# Altium PCB Exter.PcbDoc (part 2 of 2)
Units mil, origin at the board's own origin, x right, y up, seen from the top; angles counter-clockwise.
Board outline 6825 x 4690 mil, 2 copper layers (Top Layer, Bottom Layer); 156 components, 130 nets, 506 pads, 250 vias.
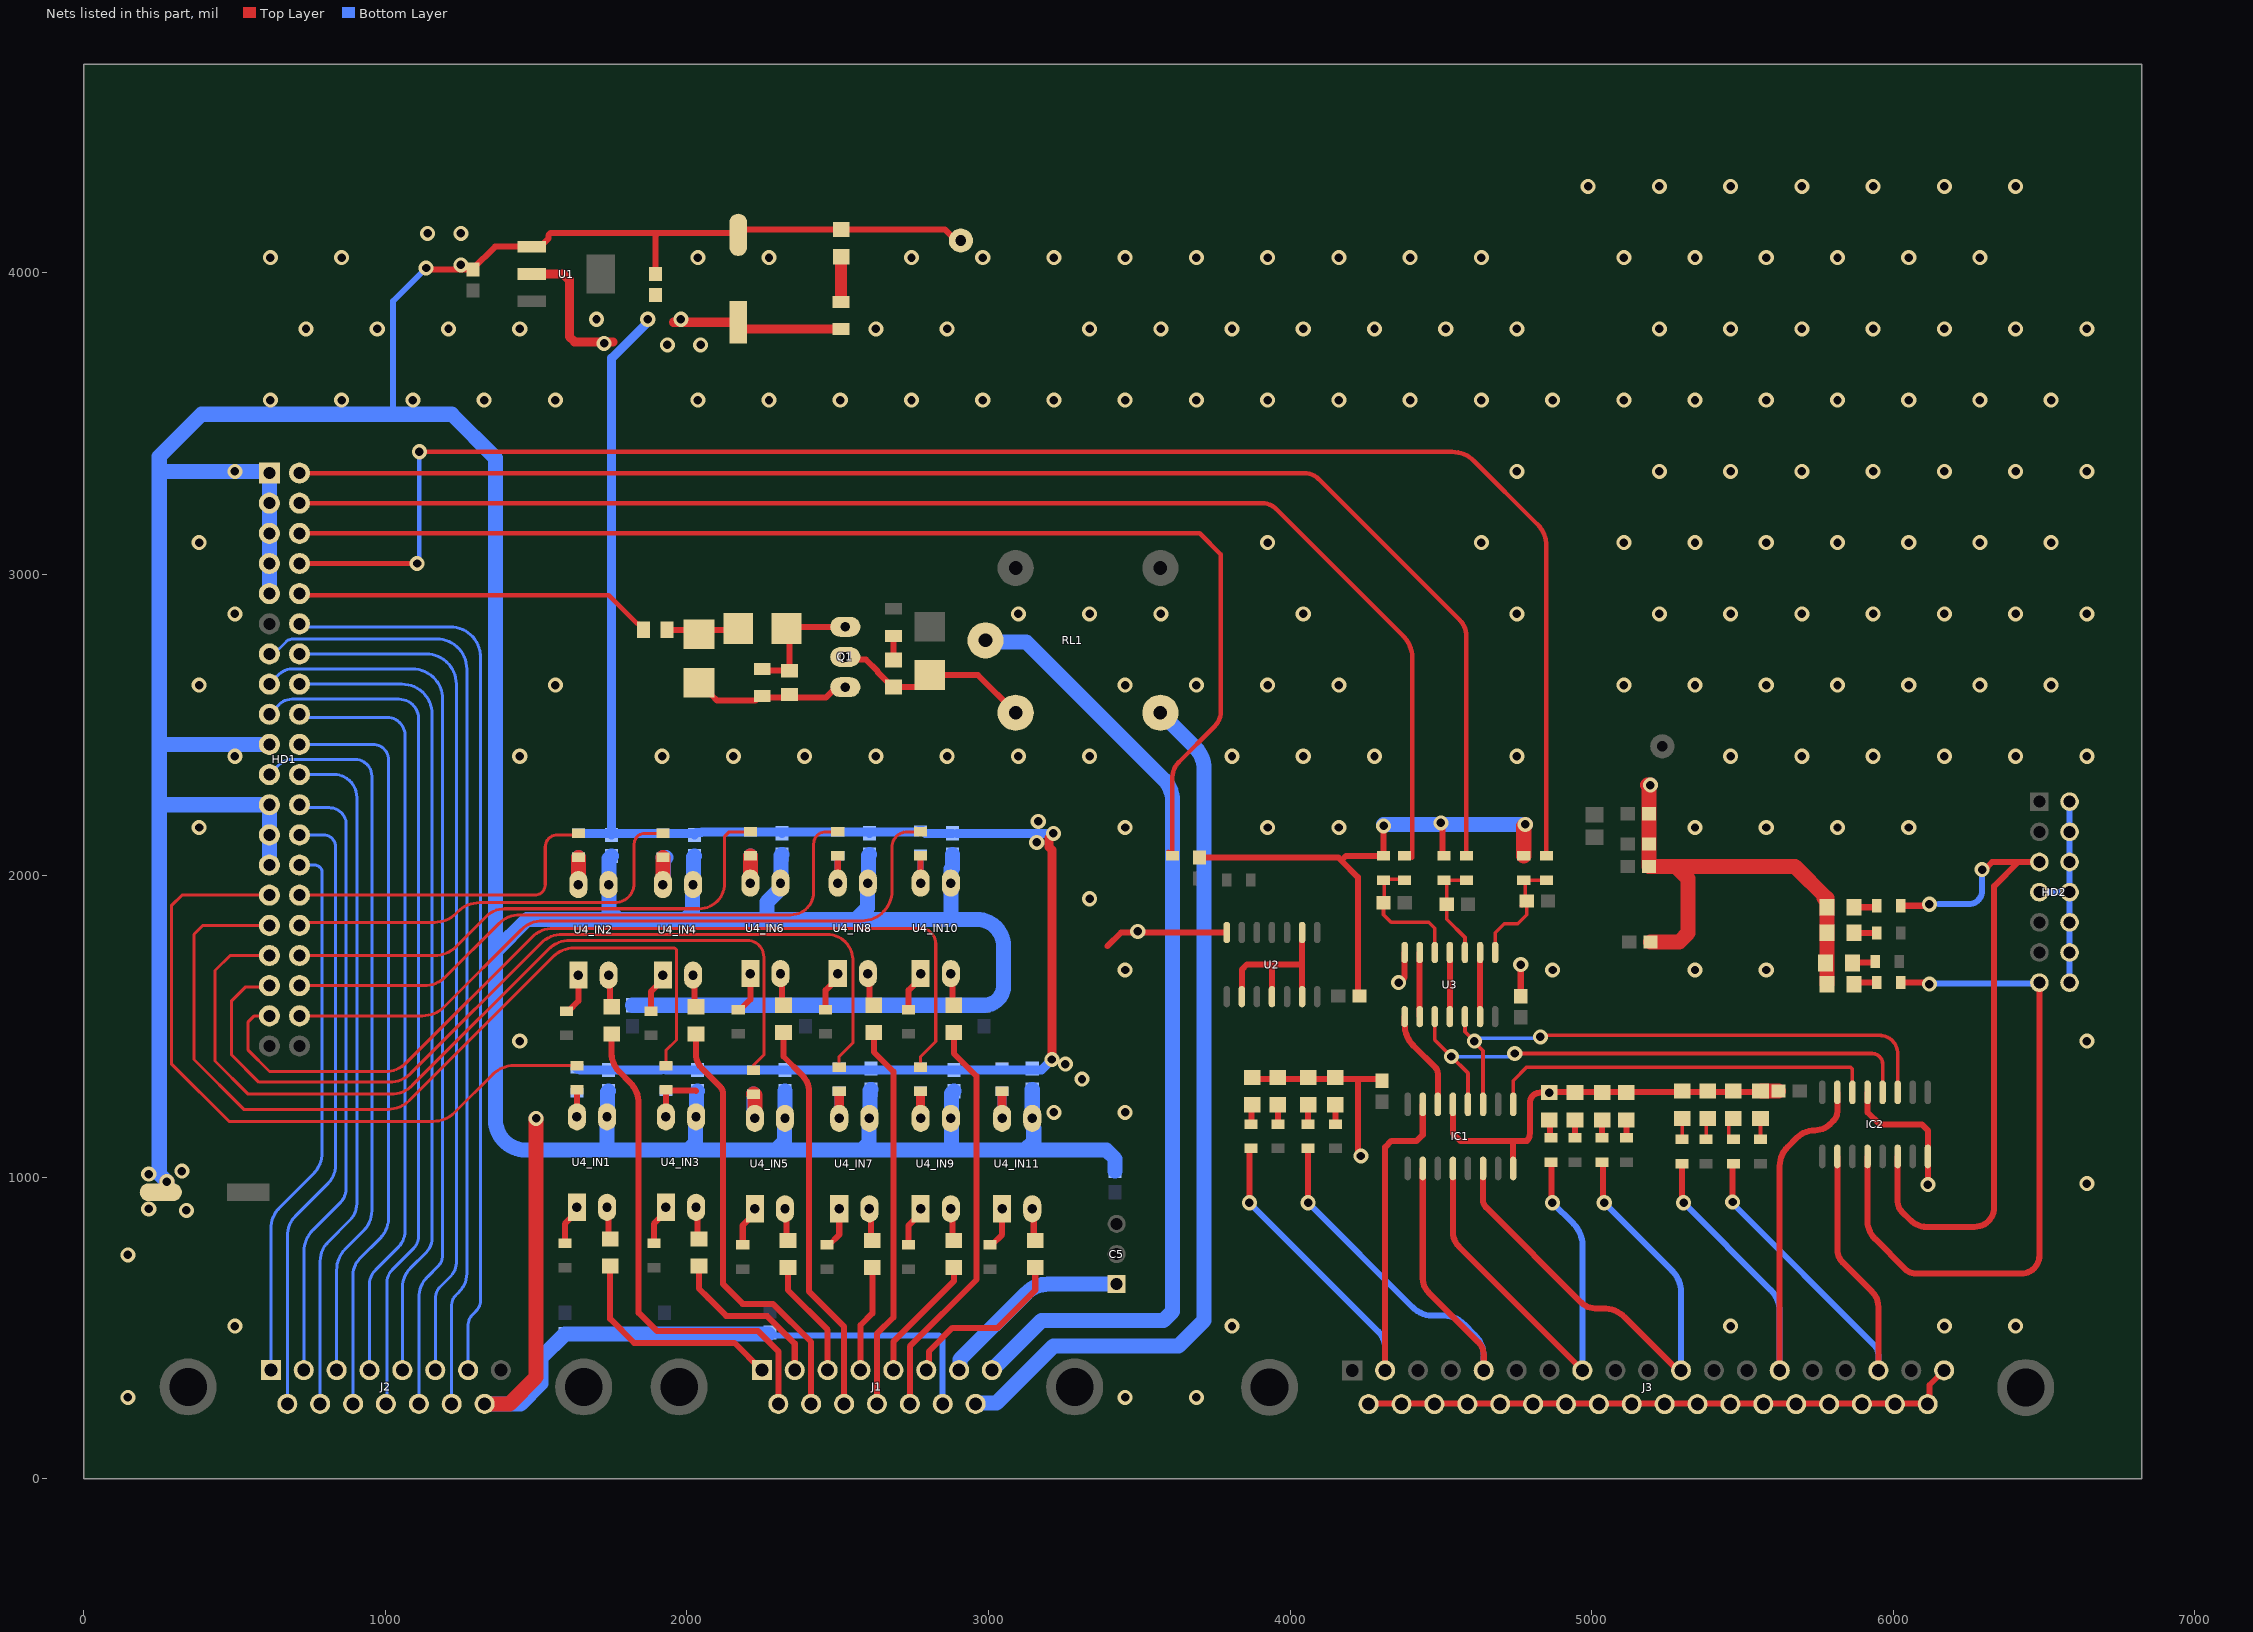
[diagram p2: the nets of this part, all layers, seen from the top]

## Via types
v1: diameter 50, hole 28, Top Layer to Bottom Layer, tented both sides, 246 vias
v2: diameter 236.22, hole 157.48, Top Layer to Bottom Layer, tented both sides, 4 vias

## Nets (pads, with @x,y where several pads share a name; then routed paths per layer and width w, separated by ;. In a path a pad name is that pad's centre, name@x,y a point inside that pad or via, vN(x,y) a via of type N, cw(c..) or ccw(c..) an arc to the next point about the centre after c; other vN are vias at no path point) (continued)
GND: C1.2 C2.2 C3.1 C4.1 C7.1 C11.2 C12.2 C13.1 C14.1 C15.1 C16.1 C17_IN1.2 C17_IN2.2 C17_IN3.2 C17_IN4.2 C17_IN5.2 C17_IN6.2 C17_IN7.2 C17_IN8.2 C17_IN9.2 C17_IN10.2 C17_IN11.2 C18.1 C19.1 C20.1 C21.1 C22.1 C23.1 C24.1 C25.1 C26.1 C27.1 D1.2 D2.2@4150,1330 D3.1 D4.2 D5.2 D6.2 D7.2 D8.2 HD1.1 HD1.3 HD1.5 HD1.7 HD1.9 HD1.19 HD1.23 HD1.25 HD1.27 HD2.2 HD2.4 HD2.6 HD2.7 HD2.8 HD2.10 HD2.12 HD2.14 IC1.8 IC1.13 IC2.8 IC2.13 J1.14 J2.15 J3.19 J3.20 J3.21 J3.22 J3.23 J3.24 J3.25 J3.26 J3.27 J3.28 J3.29 J3.30 J3.31 J3.32 J3.33 J3.34 J3.35 J3.36 J3.37 LED1.2 Q1.1 R1.2 R5.2 R6.2 R7.2 S1.2 S2.2 S3.2 S4.2 S5.2 S6.2 S7.2 S8.2 S9.2 TP1.1 U1.1 U2.7 U3.7 U4_IN1.3 U4_IN2.3 U4_IN3.3 U4_IN4.3 U4_IN5.3 U4_IN6.3 U4_IN7.3 U4_IN8.3 U4_IN9.3 U4_IN10.3 U4_IN11.3 | length 30702.3
  Top Layer w19.68: 3394.13,1765.71 3439.72,1811.3 U2.7@3790,1811.3
  Top Layer w20: v1(1135,4015) 1140,4010 C3.1@1290,4010 1290,4011.97 1363.58,4085.55 U1.1@1485.83,4085.55 1513.39,4085.55 1540,4112.17 1540,4123.28 1547.86,4131.15 1905,4131.15 ; C4.1@1895,3995 1895,4121.15 1905,4131.15 ; D3.1@2040,2640 2041.97,2640 2081.18,2600.79 2081.18,2598.82 2100,2580 2227.18,2580 2242.19,2595 R1.2@2250,2595 ; R1.2@2250,2590 2339.99,2590 2460.55,2590 2495.55,2625 Q1.1@2525,2625 ; TP1.1@2909.03,4089.03 2855.88,4142.19 LED1.2@2510.97,4142.19 2187.19,4142.19 C2.2@2170,4125 2163.85,4131.15 1905,4131.15 ; C13.1@3700,2060 4160,2060 4170,2050 ; S1.2@3875,1330 3880,1325 4225,1325 ; C11.2@4225,1600 4225,1995 4170,2050 ; v1(4235,1070) 4225,1080 4225,1325 ; J3.20@4260.67,247.37 4263.3,250 6111.97,250 J3.37@6114.61,247.37 6120.59,253.35 6120.59,310.64 J3.19@6169.13,359.18 ; C15.1@4305,1320 4300,1325 4225,1325 ; v1(4310,2165) R7.2@4310,2065 4185,2065 4170,2050 ; v1(4360,1645) ccw(c4360,1657.07) 4368.54,1648.54 4375,1655 ccw(c4362.93,1667.07) 4380,1667.07 U3.7@4380,1745 ; v1(4500,2175) 4505,2170 4505,2070 R6.2@4510,2065 ; IC1.13@4540,1241.3 4540,1145 4565,1120 4740,1120 ; IC1.8@4740,1028.7 4740,1120 ; C12.2@4765,1600 v1(4765,1705) ; D6.2@5562.5,1285 D6.2@5560,1285 5557.5,1282.5 4862.5,1282.5 v1(4860,1280) 4829.14,1280 ccw(c4829.14,1245.86) 4805,1270 ccw(c4829.14,1245.86) 4795,1245.86 4795,1144.14 cw(c4760.86,1144.14) 4785,1120 4740,1120 ; IC2.13@5915,1281.3 5915,1215 5955,1175 6095,1175 6115,1155 IC2.8@6115,1068.7 v1(6115,975)
  Top Layer w50: C1.2@255,950 275,970 v1(275,985) ; J2.15@1328.86,248.11 1411.26,248.11 1500,336.85 v1(1500,1195) ; R5.2@4775,2065 4775,2165 v1(4780,2170) ; C19.1@5195,1780 5290.71,1780 5320,1809.29 5320,1990 5280,2030 ; v1(5195,2300) 5185,2300 cw(c5172.93,2287.93) 5190,2287.93 C18.1@5190,2205 C14.1@5190,2105 C20.1@5190,2030 5280,2030 ; D6.2@5562.5,1285 C16.1@5620,1285 ; 5770,1925 S8.2@5780,1915 ; S7.2@5780,1640 D8.2@5780,1810 S8.2@5780,1895 S8.2@5780,1915 ; 5280,2030 5675,2030 5780,1925 S8.2@5780,1915
  Bottom Layer w20: 1025,3530 1025,3905 v1(1135,4015) ; C21.1@2270,480 2275,475 2835,475 2848.11,461.89 J1.14@2848.11,248.11 ; HD2.7@6485,1945 HD2.8@6585,1945 ; HD2.14@6585,1645 HD2.12@6585,1745 HD2.10@6585,1845 HD2.8@6585,1945 ; HD2.2@6585,2245 HD2.4@6585,2145 HD2.6@6585,2045 HD2.8@6585,1945
  Bottom Layer w50: v1(275,985) 250,1010 250,2235 ; HD1.27@615,2035 HD1.25@615,2135 HD1.23@615,2235 250,2235 ; HD1.19@615,2435 250,2435 ; HD1.9@615,2935 HD1.5@615,3135 HD1.1@615,3335 610,3340 250,3340 ; J2.15@1328.86,248.11 1448.11,248.11 1515,315 1515,400 C22.1@1595,480 C23.1@1925,480 C21.1@2270,480 ; C17_IN1.2@1740,1285 1736.91,1281.91 1736.91,1201.91 U4_IN1.3@1735,1200 1735,1100 1725,1090 ; C17_IN2.2@1750,2065 1741.91,2056.91 1741.91,1971.91 U4_IN2.3@1740,1970 1741.91,1968.09 1741.91,1884.29 1771.2,1855 ; C27.1@1820,1570 C26.1@2392.5,1570 C25.1@2985,1570 ccw(c2985,1635) 3050,1635 3050,1765 ccw(c2960,1765) 2960,1855 2875,1855 ; C17_IN4.2@2025,2065 2021.91,2061.91 2021.91,1971.91 U4_IN4.3@2020,1970 2018.09,1968.09 2018.09,1878.09 1995,1855 ; C17_IN3.2@2035,1285 2031.91,1281.91 2031.91,1201.91 U4_IN3.3@2030,1200 2028.09,1198.09 2028.09,1113.09 2005,1090 ; C17_IN6.2@2315,2070 2311.91,2066.91 2311.91,1976.91 U4_IN6.3@2310,1975 2310,1957.29 2265,1912.29 2265,1855 ; C17_IN5.2@2325,1285 U4_IN5.3@2325,1195 2323.09,1193.09 2323.09,1118.09 2295,1090 ; C17_IN8.2@2605,2070 2601.91,2066.91 2601.91,1976.91 U4_IN8.3@2600,1975 2598.09,1973.09 2598.09,1893.09 2560,1855 ; C17_IN7.2@2610,1290 2606.91,1286.91 2606.91,1196.91 U4_IN7.3@2605,1195 2603.09,1193.09 2603.09,1113.09 2580,1090 ; C17_IN10.2@2880,2070 2880,2023.08 ccw(c2880,2018.08) 2875,2018.08 U4_IN10.3@2875,1975 2875,1855 ; C17_IN9.2@2885,1285 2876.91,1276.91 2876.91,1196.91 U4_IN9.3@2875,1195 2876.91,1193.09 2876.91,1093.09 2880,1090 ; C17_IN11.2@3145,1290 U4_IN11.3@3145,1195 3146.91,1193.09 3146.91,1163.8 3150,1160.71 3150,1119.29 3120.71,1090 ; C24.1@3420,1020 3420,1060.71 3390.71,1090 3120.71,1090 ; v1@4310,2170 v1(4780,2170) ; 250,2235 250,2435 ; 250,2435 250,3340 ; 250,3340 250,3390 390,3530 1025,3530 1220,3530 1365,3385 1365,1750 ; 1365,1750 1365,1190 ccw(c1465,1190) 1465,1090 1725,1090 ; 1365,1750 1470,1855 1771.2,1855 ; 1725,1090 2005,1090 ; 1771.2,1855 1995,1855 ; 1995,1855 2265,1855 ; 2005,1090 2295,1090 ; 2265,1855 2560,1855 ; 2295,1090 2580,1090 ; 2560,1855 2875,1855 ; 2580,1090 2880,1090 ; 2880,1090 3120.71,1090
  other v1: 146.1,269.65 3453.19,269.65 3689.41,269.65 500.43,505.87 3807.52,505.87 5461.06,505.87 6169.73,505.87 6405.95,505.87 146.1,742.09 340,890 215,895 6642.17,978.31 215,1010 325,1020 3216.97,1214.53 3453.19,1214.53 1445.32,1450.75 6642.17,1450.75 3453.19,1686.97 4870.51,1686.97 5342.95,1686.97 5579.17,1686.97 3495,1815 3335.08,1923.19 382.32,2159.41 3453.19,2159.41 3925.63,2159.41 4161.85,2159.41 5342.95,2159.41 5579.17,2159.41 5815.39,2159.41 6051.61,2159.41 500.43,2395.63 1445.32,2395.63 1917.76,2395.63 2153.98,2395.63 2390.2,2395.63 2626.42,2395.63 2862.64,2395.63 3098.86,2395.63 3335.08,2395.63 3807.52,2395.63 4043.74,2395.63 4279.96,2395.63 4752.4,2395.63 5461.06,2395.63 5697.28,2395.63 5933.5,2395.63 6169.73,2395.63 6405.95,2395.63 6642.17,2395.63 382.32,2631.85 1563.43,2631.85 3453.19,2631.85 3689.41,2631.85 3925.63,2631.85 4161.85,2631.85 5106.73,2631.85 5342.95,2631.85 5579.17,2631.85 5815.39,2631.85 6051.61,2631.85 6287.84,2631.85 6524.06,2631.85 500.43,2868.07 3098.86,2868.07 3335.08,2868.07 3571.3,2868.07 4043.74,2868.07 4752.4,2868.07 5224.84,2868.07 5461.06,2868.07 5697.28,2868.07 5933.5,2868.07 6169.73,2868.07 6405.95,2868.07 6642.17,2868.07 382.32,3104.29 3925.63,3104.29 4634.29,3104.29 5106.73,3104.29 5342.95,3104.29 5579.17,3104.29 5815.39,3104.29 6051.61,3104.29 6287.84,3104.29 6524.06,3104.29 500.43,3340.51 4752.4,3340.51 5224.84,3340.51 5461.06,3340.51 5697.28,3340.51 5933.5,3340.51 6169.73,3340.51 6405.95,3340.51 6642.17,3340.51 618.54,3576.73 854.76,3576.73 1090.98,3576.73 1327.2,3576.73 1563.43,3576.73 2035.87,3576.73 2272.09,3576.73 2508.31,3576.73 2744.53,3576.73 2980.75,3576.73 3216.97,3576.73 3453.19,3576.73 3689.41,3576.73 3925.63,3576.73 4161.85,3576.73 4398.07,3576.73 4634.29,3576.73 4870.51,3576.73 5106.73,3576.73 5342.95,3576.73 5579.17,3576.73 5815.39,3576.73 6051.61,3576.73 6287.84,3576.73 6524.06,3576.73 736.65,3812.95 972.87,3812.95 1209.09,3812.95 1445.32,3812.95 2626.42,3812.95 2862.64,3812.95 3335.08,3812.95 3571.3,3812.95 3807.52,3812.95 4043.74,3812.95 4279.96,3812.95 4516.18,3812.95 4752.4,3812.95 5224.84,3812.95 5461.06,3812.95 5697.28,3812.95 5933.5,3812.95 6169.73,3812.95 6405.95,3812.95 6642.17,3812.95 1250,4025 618.54,4049.17 854.76,4049.17 2035.87,4049.17 2272.09,4049.17 2744.53,4049.17 2980.75,4049.17 3216.97,4049.17 3453.19,4049.17 3689.41,4049.17 3925.63,4049.17 4161.85,4049.17 4398.07,4049.17 4634.29,4049.17 5106.73,4049.17 5342.95,4049.17 5579.17,4049.17 5815.39,4049.17 6051.61,4049.17 6287.84,4049.17 1140,4130 1250,4130 4988.62,4285.39 5224.84,4285.39 5461.06,4285.39 5697.28,4285.39 5933.5,4285.39 6169.73,4285.39 6405.95,4285.39
IN1: HD1.29 R27_IN1.1 | length 2355.7
  Top Layer w10: HD1.29@615,1935 325,1935 290,1900 290,1375.86 480.86,1185 1158.58,1185 ccw(c1158.58,1285) 1229.29,1214.29 1355.71,1340.71 cw(c1426.42,1270) 1426.42,1370 R27_IN1.1@1635,1370
IN2: HD1.30 R27_IN2.1 | length 1104.9
  Top Layer w10: HD1.30@715,1935 1495,1935 ccw(c1495,1970) 1530,1970 1530,2095 cw(c1570,2095) 1531.77,2106.77 cw(c1570,2095) 1558.23,2133.23 cw(c1570,2095) 1570,2135 1645,2135 R27_IN2.1@1640,2140
IN3: HD1.31 R27_IN3.1 | length 2959.8
  Top Layer w10: HD1.31@615,1835 395,1835 365,1805 365,1390 530,1225 1008.58,1225 ccw(c1008.58,1325) 1079.29,1254.29 1555.71,1730.71 cw(c1626.42,1660) 1615.84,1759.44 cw(c1626.42,1660) 1626.42,1760 1959.14,1760 1965,1754.14 1965,1455 1930,1420 R27_IN3.1@1930,1370
IN4: HD1.32 R27_IN4.1 | length 1414.5
  Top Layer w10: HD1.32@715,1835 725,1845 1163.58,1845 ccw(c1163.58,1945) 1234.29,1874.29 1240.71,1880.71 cw(c1311.42,1810) 1311.42,1910 1760,1910 ccw(c1760,1975) 1825,1975 1825,2105 cw(c1860,2105) 1860,2140 R27_IN4.1@1920,2140
IN5: HD1.33 R27_IN5.1 | length 2981.9
  Top Layer w10: HD1.33@615,1735 485,1735 435,1685 435,1385 545,1275 1018.58,1275 ccw(c1018.58,1375) 1089.29,1304.29 1540.71,1755.71 cw(c1611.42,1685) 1611.42,1785 2200,1785 cw(c2200,1730) 2255,1730 2255,1405 2220,1370 R27_IN5.1@2225,1365
IN6: HD1.34 R27_IN6.1 | length 1761
  Top Layer w10: HD1.34@715,1735 1163.58,1735 ccw(c1163.58,1835) 1234.29,1764.29 1335,1865 cw(c1395.36,1804.64) 1395.36,1890 2040,1890 ccw(c2040,1975) 2125,1975 2125,2130 2140,2145 R27_IN6.1@2210,2145
IN7: HD1.35 R27_IN7.1 | length 3039.6
  Top Layer w10: HD1.35@615,1635 610,1630 535,1630 490,1585 490,1405 580,1315 1013.58,1315 ccw(c1013.58,1415) 1084.29,1344.29 1515.71,1775.71 cw(c1586.42,1705) 1586.42,1805 2465,1805 cw(c2465,1720) 2474.7,1804.45 cw(c2465,1720) 2549.45,1729.7 cw(c2465,1720) 2550,1720 2550,1445 2504.89,1399.89 2504.89,1365.11 R27_IN7.1@2505,1365
IN8: HD1.36 R27_IN8.1 | length 2099.4
  Top Layer w10: HD1.36@715,1635 1128.58,1635 ccw(c1128.58,1735) 1199.29,1664.29 1375.71,1840.71 cw(c1446.42,1770) 1446.42,1870 2345,1870 ccw(c2345,1945) 2420,1945 2420,2105 cw(c2460,2105) 2421.77,2116.77 cw(c2460,2105) 2448.23,2143.23 cw(c2460,2105) 2460,2145 R27_IN8.1@2500,2145
IN9: HD1.37 R27_IN9.1 | length 3129.2
  Top Layer w10: HD1.37@615,1535 565,1535 545,1515 545,1420.86 615.86,1350 998.58,1350 ccw(c998.58,1450) 1069.29,1379.29 1485.71,1795.71 cw(c1556.42,1725) 1556.42,1825 2775,1825 cw(c2775,1775) 2825,1775 2825,1450 2775,1400 R27_IN9.1@2775,1365
IN10: HD1.38 R27_IN10.1 | length 2412.5
  Top Layer w10: HD1.38@715,1535 1123.58,1535 ccw(c1123.58,1635) 1194.29,1564.29 1450.71,1820.71 cw(c1521.42,1750) 1521.42,1850 2580,1850 ccw(c2580,1950) 2680,1950 2680,2095 cw(c2730,2095) 2681.29,2106.29 cw(c2730,2095) 2718.71,2143.71 cw(c2730,2095) 2730,2145 R27_IN10.1@2775,2145
LATCH1: C9.1 R3.1 R6.1 U3.3 | length 343.9
  Top Layer w12: R6.1@4510,1985 R6.1@4510.25,1985 ; U3.3@4580,1745 4580,1795 4520,1855 C9.1@4520,1905 4520,1975.25 R6.1@4510.25,1985 ; R3.1@4585,1985 R6.1@4510.25,1985
MOSI1: C10.1 R4.1 R7.1 U3.5 | length 455.7
  Top Layer w12: R4.1@4380,1985 4377.5,1987.5 4312.5,1987.5 4312.5,1912.5 C10.1@4310,1910 4310,1870 4335,1845 4460,1845 4480,1825 U3.5@4480,1745
NetC5_1: C5.1 J1.7 | length 655.3
  Bottom Layer w50: J1.7@2902.64,359.92 2905.8,363.09 2905.8,395.8 3125.71,615.71 cw(c3196.42,545) 3196.42,645 C5.1@3425,645
NetC6_2: C6.2 D2.1@2170,2820 D3.2 | length 237.7
  Top Layer w20: C6.2@1934.37,2815.01 2165.01,2815.01 D2.1@2170,2820
NetC7_2: C7.2 D2.2@2330,2820 Q1.3 R1.1 | length 422.4
  Top Layer w20: R1.1@2260.31,2680 2260,2680 2260.31,2679.69 2339.68,2679.69 C7.2@2339.99,2679.37 2339.99,2810.01 D2.2@2330,2820 2335,2825 Q1.3@2525,2825
NetD1_1: D1.1 R9.2 | length 65.1
  Top Layer w20: D1.1@3959.83,1240 3959.91,1239.91 3959.91,1175.09 R9.2@3960,1175
NetD2_1: D2.1@4150,1240 R11.2 | length 65
  Top Layer w20: R11.2@4150,1175 D2.1@4150,1240
NetD4_1: D4.1 R15.2 | length 60
  Top Layer w20: R15.2@5115,1130 D4.1@5115,1190
NetD5_1: D5.1 R17.2 | length 72.1
  Top Layer w12: R17.2@5380,1125 5380,1190 D5.1@5385,1195
NetD6_1: D6.1 R19.2 | length 70
  Top Layer w12: R19.2@5560,1125 D6.1@5560,1195
NetD7_1: D7.1 R21.2 | length 77.1
  Top Layer w20: D7.1@5865,1710 5867.5,1712.5 5937.5,1712.5 R21.2@5940,1715
NetD8_1: D8.1 R23.2 | length 75
  Top Layer w20: D8.1@5870,1810 R23.2@5945,1810
NetD10_1: D10.1 LED18.2 Q1.2 RL1.4 | length 676.2
  Top Layer w20: Q1.2@2525,2725 2533.8,2716.2 2593.8,2716.2 2631.25,2678.75 2631.25,2676.25 2682.5,2625 LED18.2@2685,2625 2763.03,2625 2803.03,2665 D10.1@2805,2665 2965,2665 RL1.4@3090,2540
NetIC1_9: IC1.9 IC2.14 | length 1301.9
  Top Layer w12: IC1.9@4740,1241.3 4740,1320 4785,1365 5857.97,1365 5865,1357.97 IC2.14@5865,1281.3
NetIC1_11: IC1.11 IC2.11 U3.12 | length 1890.4
  Top Layer w12: U3.12@4580,1532.4 4580,1482.5 v1(4611.25,1451.25) 4611.25,1447.94 4640,1419.19 IC1.11@4640,1241.3 ; v1(4830,1465) 4835,1470 5955,1470 cw(c5955,1410) 5966.02,1468.98 cw(c5955,1410) 6013.98,1421.02 cw(c5955,1410) 6015,1410 IC2.11@6015,1281.3
  Bottom Layer w12: v1(4611.25,1451.25) 4620,1460 4825,1460 v1(4830,1465)
NetIC1_12: IC1.12 IC2.12 U3.10 | length 1885.3
  Top Layer w12: U3.10@4480,1532.4 4480,1455 v1(4535,1400) 4590,1345 IC1.12@4590,1241.3 ; v1(4745,1410) 5930,1410 cw(c5930,1375) 5965,1375 IC2.12@5965,1281.3
  Bottom Layer w12: v1(4535,1400) 4536,1399 4723.72,1399 4734.72,1410 v1(4745,1410)
NetIC1_14: IC1.14 U3.8 | length 331.3
  Top Layer w20: U3.8@4380,1532.4 4380,1506.42 ccw(c4480,1506.42) 4409.29,1435.71 4482.5,1362.5 cw(c4464.39,1344.39) 4490,1344.39 IC1.14@4490,1241.3
NetLED1_1: LED1.1 R30.2 | length 149.6
  Top Layer w20: R30.2@2510.84,3902.63 R30.2@2510.9,3902.7 ; LED1.1@2510.9,4052.12 LED1.1@2510.97,4052.19
  Top Layer w40: R30.2@2510.9,3902.7 LED1.1@2510.9,4052.12
NetLED17_IN1_1: LED17_IN1.1 U4_IN1.2 | length 109.1
  Top Layer w20: U4_IN1.2@1735,900 1740,895 1740,800 LED17_IN1.1@1745,795
NetLED17_IN2_1: LED17_IN2.1 U4_IN2.2 | length 109.1
  Top Layer w20: U4_IN2.2@1740,1670 1745,1665 1745,1570 LED17_IN2.1@1750,1565
NetLED17_IN3_1: LED17_IN3.1 U4_IN3.2 | length 109.1
  Top Layer w20: U4_IN3.2@2030,900 2035,895 2035,800 LED17_IN3.1@2040,795
NetLED17_IN4_1: LED17_IN4.1 U4_IN4.2 | length 126.2
  Top Layer w20: LED17_IN4.1@2020,1555 LED17_IN4.1@2025,1560 ; U4_IN4.2@2020,1670 2025,1665 LED17_IN4.1@2025,1560 ; LED17_IN4.1@2030,1565 LED17_IN4.1@2025,1560
NetLED17_IN5_1: LED17_IN5.1 U4_IN5.2 | length 109.1
  Top Layer w20: U4_IN5.2@2325,895 2330,890 2330,795 LED17_IN5.1@2335,790
NetLED17_IN6_1: LED17_IN6.1 U4_IN6.2 | length 109.1
  Top Layer w20: U4_IN6.2@2310,1675 2315,1670 2315,1575 LED17_IN6.1@2320,1570
NetLED17_IN7_1: LED17_IN7.1 U4_IN7.2 | length 109.1
  Top Layer w20: U4_IN7.2@2605,895 2610,890 2610,795 LED17_IN7.1@2615,790
NetLED17_IN8_1: LED17_IN8.1 U4_IN8.2 | length 109.1
  Top Layer w20: U4_IN8.2@2600,1675 2605,1670 2605,1575 LED17_IN8.1@2610,1570
NetLED17_IN9_1: LED17_IN9.1 U4_IN9.2 | length 109.1
  Top Layer w20: U4_IN9.2@2875,895 2880,890 2880,795 LED17_IN9.1@2885,790
NetLED17_IN10_1: LED17_IN10.1 U4_IN10.2 | length 109.1
  Top Layer w20: U4_IN10.2@2875,1675 2880,1670 2880,1575 LED17_IN10.1@2885,1570
NetLED17_IN11_1: LED17_IN11.1 U4_IN11.2 | length 109.1
  Top Layer w20: U4_IN11.2@3145,895 3150,890 3150,795 LED17_IN11.1@3155,790
NetLED18_1: LED18.1 R29.2 | length 80
  Top Layer w20: LED18.1@2685,2715 R29.2@2685,2795
NetR8_2: R8.2 S1.1 | length 67.1
  Top Layer w20: R8.2@3870,1175 3872.5,1177.5 3872.5,1237.5 S1.1@3875,1240
NetR10_2: R10.2 S2.1 | length 65
  Top Layer w20: R10.2@4060,1175 S2.1@4060,1240
NetR12_2: R12.2 S3.1 | length 62.1
  Top Layer w20: S3.1@4860,1190 4862.5,1187.5 4862.5,1132.5 R12.2@4865,1130
NetR13_2: R13.2 S9.1 | length 60
  Top Layer w20: R13.2@4945,1130 S9.1@4945,1190
NetR14_2: R14.2 S4.1 | length 60
  Top Layer w20: R14.2@5035,1130 S4.1@5035,1190
NetR16_2: R16.2 S5.1 | length 70
  Top Layer w12: R16.2@5300,1125 S5.1@5300,1195
NetR18_2: R18.2 S6.1 | length 91.5
  Top Layer w12: R18.2@5470,1125 5464.09,1125 5454.35,1134.75 5454.35,1187.97 5461.38,1195 S6.1@5470,1195
NetR20_2: R20.2 S7.1 | length 84.1
  Top Layer w20: S7.1@5870,1640 5875,1640 5880,1635 5880,1640 5885,1645 R20.2@5945,1645
NetR22_2: R22.2 S8.1 | length 80
  Top Layer w20: S8.1@5870,1895 5945,1895 R22.2@5945,1900
NetR26_IN1_2: R26_IN1.2 R27_IN1.2 U4_IN1.4 | length 173.5
  Top Layer w20: U4_IN1.4@1635,1200 R27_IN1.2@1635,1290 R27_IN1.2@1637.5,1287.5
  Bottom Layer w20: U4_IN1.4@1635,1200 R26_IN1.2@1635,1280
NetR26_IN2_2: R26_IN2.2 R27_IN2.2 U4_IN2.4 | length 180
  Top Layer w50: U4_IN2.4@1640,1970 R27_IN2.2@1640,2060
  Bottom Layer w50: U4_IN2.4@1640,1970 R26_IN2.2@1640,2060
NetR26_IN3_2: R26_IN3.2 R27_IN3.2 U4_IN3.4 | length 277.1
  Top Layer w20: U4_IN3.4@1930,1200 R27_IN3.2@1930,1290 1932.5,1287.5 2027.5,1287.5 2030,1285
  Bottom Layer w20: U4_IN3.4@1930,1200 R26_IN3.2@1930,1285
NetR26_IN4_2: R26_IN4.2 R27_IN4.2 U4_IN4.4 | length 194.1
  Top Layer w50: U4_IN4.4@1920,1970 R27_IN4.2@1920,2060
  Bottom Layer w50: U4_IN4.4@1920,1970 1921.91,1971.91 1921.91,2051.91 1930,2060 R26_IN4.2@1920,2060
NetR26_IN5_2: R26_IN5.2 R27_IN5.2 U4_IN5.4 | length 165.4
  Top Layer w50: R27_IN5.2@2220,1275 cw(c2220,1270) 2225,1270 U4_IN5.4@2225,1195
  Bottom Layer w50: R26_IN5.2@2220,1275 cw(c2220,1271.91) 2223.09,1271.91 2223.09,1196.91 U4_IN5.4@2225,1195
NetR26_IN6_2: R26_IN6.2 R27_IN6.2 U4_IN6.4 | length 180
  Top Layer w50: U4_IN6.4@2210,1975 R27_IN6.2@2210,2065
  Bottom Layer w50: U4_IN6.4@2210,1975 R26_IN6.2@2210,2065
NetR26_IN7_2: R26_IN7.2 R27_IN7.2 U4_IN7.4 | length 180
  Top Layer w30: U4_IN7.4@2505,1195 R27_IN7.2@2505,1285
  Bottom Layer w30: U4_IN7.4@2505,1195 R26_IN7.2@2505,1285
NetR26_IN8_2: R26_IN8.2 R27_IN8.2 U4_IN8.4 | length 180
  Top Layer w20: U4_IN8.4@2500,1975 R27_IN8.2@2500,2065
  Bottom Layer w20: U4_IN8.4@2500,1975 R26_IN8.2@2500,2065
NetR26_IN9_2: R26_IN9.2 R27_IN9.2 U4_IN9.4 | length 180
  Top Layer w30: U4_IN9.4@2775,1195 R27_IN9.2@2775,1285
  Bottom Layer w30: U4_IN9.4@2775,1195 R26_IN9.2@2775,1285
NetR26_IN10_2: R26_IN10.2 R27_IN10.2 U4_IN10.4 | length 185
  Top Layer w20: U4_IN10.4@2775,1975 R27_IN10.2@2775,2065
  Bottom Layer w20: U4_IN10.4@2775,1975 R26_IN10.2@2775,2070
NetR26_IN11_2: R26_IN11.2 R27_IN11.2 U4_IN11.4 | length 180
  Top Layer w30: U4_IN11.4@3045,1195 R27_IN11.2@3045,1285
  Bottom Layer w30: U4_IN11.4@3045,1195 R26_IN11.2@3045,1285
NetR28_IN1_2: R28_IN1.2 U4_IN1.1 | length 136.6
  Top Layer w20: R28_IN1.2@1595,780 1595,845 1635,885 U4_IN1.1@1635,900
NetR28_IN2_2: R28_IN2.2 U4_IN2.1 | length 140
  Top Layer w20: R28_IN2.2@1600,1550 1605.91,1550 1640,1584.09 U4_IN2.1@1640,1670
NetR28_IN3_2: R28_IN3.2 U4_IN3.1 | length 136.6
  Top Layer w20: R28_IN3.2@1890,780 1890,845 1930,885 U4_IN3.1@1930,900
NetR28_IN4_2: R28_IN4.2 U4_IN4.1 | length 136.6
  Top Layer w20: R28_IN4.2@1880,1550 1880,1615 1920,1655 U4_IN4.1@1920,1670
NetR28_IN5_2: R28_IN5.2 U4_IN5.1 | length 136.6
  Top Layer w20: R28_IN5.2@2185,775 2185,840 2225,880 U4_IN5.1@2225,895
NetR28_IN6_2: R28_IN6.2 U4_IN6.1 | length 140
  Top Layer w20: R28_IN6.2@2170,1555 2175.91,1555 2210,1589.09 U4_IN6.1@2210,1675
NetR28_IN7_2: R28_IN7.2 U4_IN7.1 | length 140
  Top Layer w20: R28_IN7.2@2465,775 2470.91,775 2505,809.09 U4_IN7.1@2505,895
NetR28_IN8_2: R28_IN8.2 U4_IN8.1 | length 136.6
  Top Layer w20: R28_IN8.2@2460,1555 2460,1620 2500,1660 U4_IN8.1@2500,1675
NetR28_IN9_2: R28_IN9.2 U4_IN9.1 | length 136.6
  Top Layer w20: R28_IN9.2@2735,775 2735,840 2775,880 U4_IN9.1@2775,895
NetR28_IN10_2: R28_IN10.2 U4_IN10.1 | length 136.6
  Top Layer w20: R28_IN10.2@2735,1555 2735,1620 2775,1660 U4_IN10.1@2775,1675
NetR28_IN11_2: R28_IN11.2 U4_IN11.1 | length 140
  Top Layer w20: R28_IN11.2@3005,775 3010.91,775 3045,809.09 U4_IN11.1@3045,895
NetU2_2: U2.2 U2.9 U2.11 U2.13 | length 617.5
  Top Layer w20: U2.9@3840,1598.7 3840,1688.28 3856.72,1705 3945,1705 ; U2.11@3940,1598.7 3940,1700 3945,1705 ; U2.13@4040,1598.7 4040,1705 ; U2.2@4040,1811.3 4040,1705 ; 3945,1705 4040,1705
NetU3_2: U3.2 U3.13 | length 212.6
  Top Layer w20: U3.13@4630,1532.4 U3.2@4630,1745
NetU3_4: U3.4 U3.11 | length 212.6
  Top Layer w20: U3.11@4530,1532.4 U3.4@4530,1745
NetU3_6: U3.6 U3.9 | length 212.6
  Top Layer w20: U3.9@4430,1532.4 U3.6@4430,1745
P9/MOSI: HD1.4 R4.2 | length 4582.4
  Top Layer w15: HD1.4@715,3235 3906.71,3235 cw(c3906.71,3166.71) 3954.98,3215.02 4375.71,2794.29 cw(c4305,2723.58) 4405,2723.58 4405,2060
P10/ENB: HD1.6 R25.2 | length 4167.9
  Top Layer w15: HD1.6@715,3135 3700,3135 3770,3065 3770,2543.28 cw(c3701.72,2543.28) 3750,2495 3630,2375 ccw(c3678.28,2326.72) 3610,2326.72 R25.2@3610,2065 3604.09,2065 3595.85,2073.25 R25.2@3595.85,2079.15
P11/SCK: HD1.8 R2.2 | length 5674.6
  Top Layer w15: HD1.8@715,3035 v1(1105,3035) ; v1(1112.74,3405.67) 1159.33,3405.67 1160,3405 4538.58,3405 cw(c4538.58,3305) 4609.29,3375.71 4820.71,3164.29 cw(c4750,3093.58) 4850,3093.58 R2.2@4850,2065
  Bottom Layer w15: v1(1105,3035) 1112.74,3042.74 v1(1112.74,3405.67)
P17/PWM1: HD1.20 J2.11 | length 2501.7
  Bottom Layer w10: HD1.20@715,2435 960,2435 cw(c960,2385) 971.29,2433.71 cw(c960,2385) 1008.71,2396.29 cw(c960,2385) 1010,2385 1010,863.89 cw(c916.11,863.89) 982.5,797.5 915,730 ccw(c968.99,676.01) 914.96,729.96 ccw(c968.99,676.01) 892.64,676.01 J2.11@892.64,248.11
P18/PWM2: HD1.21 J2.3 | length 2399.7
  Bottom Layer w10: HD1.21@615,2335 647.32,2367.32 cw(c690,2324.64) 690,2385 900,2385 cw(c900,2330) 955,2330 955,888.89 cw(c861.11,888.89) 927.5,822.5 867.4,762.4 ccw(c938.11,691.69) 838.11,691.69 J2.3@838.11,359.92
P19/PWM3: HD1.22 J2.10 | length 2287.8
  Bottom Layer w10: HD1.22@715,2335 830,2335 cw(c830,2260) 905,2260 905,911.82 cw(c828.18,911.82) 882.51,857.51 810,785 ccw(c873.78,721.22) 783.58,721.22 J2.10@783.58,248.11
P20/PWM4: HD1.24 J2.2 | length 2051.8
  Bottom Layer w10: HD1.24@715,2235 725,2225 815,2225 cw(c815,2170) 820.25,2224.75 cw(c815,2170) 869.75,2175.25 cw(c815,2170) 870,2170 870,963.28 cw(c801.72,963.28) 850,915 759.29,824.29 ccw(c830,753.58) 730,753.58 730,360.87 J2.2@729.05,359.92
P21/PWM5: HD1.26 J2.9 | length 2048.2
  Bottom Layer w10: J2.9@674.53,248.11 674.53,803.11 cw(c774.53,803.11) 703.82,873.82 810,980 ccw(c749.64,1040.36) 810.04,980.04 ccw(c749.64,1040.36) 835,1040.36 835,2095 ccw(c795,2095) 795,2135 HD1.26@715,2135
P22/PWM6: HD1.28 J2.1 | length 1801.2
  Bottom Layer w10: J2.1@620,359.92 620,828.58 cw(c720,828.58) 649.29,899.29 760.71,1010.71 ccw(c690,1081.42) 790,1081.42 790,2010 ccw(c765,2010) 765,2035 HD1.28@715,2035
P41/A0: HD1.18 J2.4 | length 2536
  Bottom Layer w10: HD1.18@715,2535 725,2525 1005,2525 cw(c1005,2465) 1065,2465 1065,821.82 cw(c988.18,821.82) 1042.51,767.51 967.5,692.5 ccw(c1016.6,643.4) 967.46,692.46 ccw(c1016.6,643.4) 947.16,643.4 J2.4@947.16,359.92
P42/A1: HD1.17 J2.12 | length 2861.9
  Bottom Layer w10: HD1.17@615,2535 647.5,2567.5 ; 647.53,2567.53 cw(c689.75,2525.25) 689.75,2585 1045,2585 cw(c1045,2520) 1110,2520 1110,804.75 cw(c1050.25,804.75) 1092.53,762.53 ; J2.12@1001.69,248.11 1005,251.42 1005,650.25 cw(c1064.75,650.25) 1022.47,692.47 ; 1022.5,692.5 1092.5,762.5
P43/A2: HD1.16 J2.5 | length 2706.3
  Bottom Layer w10: HD1.16@715,2635 1055,2635 cw(c1055,2535) 1155,2535 1155,798.28 cw(c1086.72,798.28) 1135,750 1082.5,697.5 ; J2.5@1056.22,359.92 1056.22,634.05 cw(c1145.95,634.05) 1082.47,697.47
P44/A3: HD1.15 J2.13 | length 3013.4
  Bottom Layer w10: HD1.15@615,2635 647.32,2667.32 cw(c690,2624.64) 690,2685 1090,2685 cw(c1090,2585) 1190,2585 1190,741.21 cw(c1138.79,741.21) 1175.03,705.03 ; J2.13@1110.75,248.11 1110.75,599.33 cw(c1210.75,599.33) 1140.04,670.04 1175,705
P45/A4: HD1.14 J2.6 | length 2875.9
  Bottom Layer w10: HD1.14@715,2735 1135,2735 cw(c1135,2635) 1235,2635 1235,715 cw(c1174.64,715) 1217.32,672.32 1182.5,637.5 ccw(c1224.08,595.92) 1165.28,595.92 J2.6@1165.28,359.92
P46/A5: HD1.13 J2.14 | length 3183.5
  Bottom Layer w10: HD1.13@615,2735 630,2735 670,2775 cw(c694.14,2750.86) 694.14,2785 1170,2785 cw(c1170,2685) 1270,2685 1270,680 cw(c1185.5,680) 1245.28,620.28 ; J2.14@1219.8,248.11 1219.8,576.81 cw(c1263.25,576.81) 1232.5,607.5 ; 1232.53,607.53 1245.25,620.25
P47/A6: HD1.12 J2.7 | length 3039.1
  Bottom Layer w10: HD1.12@715,2835 725,2825 1215,2825 cw(c1215,2725) 1315,2725 1315,591.21 cw(c1263.79,591.21) 1300.01,555.01 1287.16,542.16 ccw(c1318.15,511.18) 1274.33,511.18 J2.7@1274.33,359.92
P51/LATCH: HD1.2 R3.2 | length 4835
  Top Layer w15: HD1.2@715,3335 4046.72,3335 cw(c4046.72,3266.72) 4095,3315 4562.5,2847.5 cw(c4508.18,2793.18) 4585,2793.18 R3.2@4585,2065
PUMP: C6.1 HD1.10 | length 1193.8
  Top Layer w15: HD1.10@715,2935 720,2930 1740.64,2930 1835.64,2835.01 1841.48,2835.01 1855.64,2820.85 C6.1@1855.64,2815.01
PUMP_COM: J1.8 RL1.1 | length 3233.6
  Bottom Layer w50: RL1.1@2990,2780 2995,2775 3125,2775 3580.71,2319.29 cw(c3510,2248.58) 3610,2248.58 3610,554.29 3580.71,525 3176.1,525 J1.8@3011.22,360.12
PUMP_NO: J1.15 RL1.3 | length 2943.3
  Bottom Layer w50: J1.15@2957.17,248.11 2960.33,251.27 3026.27,251.27 3215,440 3630,440 3715,525 3715,2353.58 ccw(c3615,2353.58) 3685.71,2424.29 RL1.3@3570,2540
SCK1: C8.1 R2.1 R5.1 U3.1 | length 399.9
  Top Layer w12: U3.1@4680,1745 4680,1810 4710,1840 4755,1840 4785,1870 C8.1@4785,1915 ; C8.1@4767.38,1899.35 C8.1@4778.03,1910 ; R5.1@4775,1985 R5.1@4780,1985 ; C8.1@4780,1915 R5.1@4780,1985 ; R2.1@4850,1985 R5.1@4780,1985
SEN1: J1.1 LED17_IN1.2 | length 748.8
  Top Layer w20: LED17_IN1.2@1745,705 1745,530 1825,450 2158.23,450 J1.1@2248.31,359.92
SEN2: J1.9 LED17_IN2.2 | length 1644.2
  Top Layer w20: LED17_IN2.2@1750,1475 1750,1410 ccw(c1834.5,1410) 1774.72,1350.28 ; 1774.75,1350.25 1810.71,1314.29 cw(c1740,1243.58) 1840,1243.58 1840,550 1900,490 2235,490 2302.84,422.16 J1.9@2302.84,248.11
SEN3: J1.2 LED17_IN3.2 | length 555.6
  Top Layer w20: LED17_IN3.2@2040,705 2040,630 2070,600 2130,540 2265,540 2357.36,447.64 J1.2@2357.36,359.92
SEN4: J1.10 LED17_IN4.2 | length 1439.2
  Top Layer w20: LED17_IN4.2@2030,1475 2030,1408.28 ccw(c2098.28,1408.28) 2050,1360 2110,1300 cw(c2085.86,1275.86) 2120,1275.86 2120,645 2185,580 2285,580 2411.89,453.11 J1.10@2411.89,248.11
SEN5: J1.3 LED17_IN5.2 | length 394.5
  Top Layer w20: LED17_IN5.2@2335,700 2335,625 2466.42,493.58 J1.3@2466.42,359.92
SEN6: J1.11 LED17_IN6.2 | length 1311.8
  Top Layer w20: LED17_IN6.2@2320,1480 2320,1400 2382.5,1337.5 cw(c2328.18,1283.18) 2405,1283.18 2405,620 2520.95,504.05 J1.11@2520.95,248.11
SEN7: J1.4 LED17_IN7.2 | length 356.5
  Top Layer w20: J1.4@2575.47,359.92 2575.47,508.99 2615,548.52 LED17_IN7.2@2615,700
SEN8: J1.12 LED17_IN8.2 | length 1281.6
  Top Layer w20: LED17_IN8.2@2620,1480 2620,1415 2685,1350 2685,535 2630,480 J1.12@2630,248.11
SEN9: J1.5 LED17_IN9.2 | length 423.1
  Top Layer w20: J1.5@2684.53,359.92 2684.53,454.53 2885,655 LED17_IN9.2@2885,700
SEN10: J1.13 LED17_IN10.2 | length 1354.5
  Top Layer w20: J1.13@2739.06,248.11 2739.06,439.06 2960,660 2960,1335 2885,1410 LED17_IN10.2@2885,1480
SEN11: J1.6 LED17_IN11.2 | length 577.6
  Top Layer w20: J1.6@2793.58,359.92 2802.49,368.83 2802.49,422.49 2880,500 3030,500 3155,625 LED17_IN11.2@3155,700
STEP0: IC1.15 J3.2 R8.1 | length 1904.1
  Top Layer w20: v1(3865,915) 3865,1090 R8.1@3870,1095 ; J3.2@4315.2,359.18 4315.2,1099.34 4335.86,1120 4420,1120 4440,1140 IC1.15@4440,1241.3
  Bottom Layer w20: v1(3865,915) 4292.5,487.5 cw(c4237.7,432.7) 4315.2,432.7 J3.2@4315.2,359.18
STEP1: IC1.2 J3.5 R10.1 | length 1771
  Top Layer w20: v1@4060,923.36 R10.1@4060,1095 ; IC1.2@4440,1028.7 4440,663.78 ccw(c4503.78,663.78) 4458.65,618.71 ; 4458.68,618.68 4624.69,452.68 cw(c4582.01,410) 4642.36,410 J3.5@4642.36,359.18
  Bottom Layer w20: v1(4060,915) 4405.71,569.29 ccw(c4476.42,640) 4460.22,541.32 4506.27,541.32 cw(c4506.27,441.32) 4522.48,540 cw(c4506.27,441.32) 4576.98,512.03 4613.07,475.94 cw(c4542.36,405.23) 4642.36,405.23 J3.5@4642.36,359.18
STEP2: IC1.4 J3.8 R12.1 | length 1574.3
  Top Layer w20: IC1.4@4540,1028.7 4540,818.28 ccw(c4608.28,818.28) 4560,770 4969.53,360.47 J3.8@4969.53,359.18 ; R12.1@4865,1050 4867.5,1047.5 4867.5,917.5 v1(4870,915)
  Bottom Layer w20: v1(4870,915) 4940.24,844.76 cw(c4869.53,774.05) 4969.53,774.05 J3.8@4969.53,359.18
STEP3: IC1.6 J3.11 R14.1 | length 1789.8
  Top Layer w20: IC1.6@4640,1028.7 4640,924.14 ccw(c4674.14,924.14) 4649.98,900.02 4966.06,583.94 ccw(c5011.79,629.68) 5011.79,565 5038.58,565 cw(c5038.58,465) 5109.29,535.71 5285.82,359.18 J3.11@5296.6,359.18 ; R14.1@5035,1050 5038.41,1046.59 5038.41,918.41 v1(5041.82,915)
  Bottom Layer w20: v1(5041.82,915) 5267.31,689.51 cw(c5196.6,618.8) 5296.6,618.8 J3.11@5296.6,359.18
STEP4: IC2.15 J3.14 R16.1 | length 1842.7
  Top Layer w20: R16.1@5300,1045 5300,920 v1(5305,915) ; J3.14@5623.86,359.18 5623.86,1036.89 cw(c5713.11,1036.89) 5649.99,1099.99 5680.25,1130.25 cw(c5740,1070.5) 5740,1155 ccw(c5740,1227.43) 5766.41,1159.99 ccw(c5740,1227.43) 5791.21,1176.21 5803.11,1188.11 ccw(c5774.39,1216.82) 5815,1216.82 IC2.15@5815,1281.3
  Bottom Layer w20: v1(5305,915) 5594.57,625.43 cw(c5523.86,554.72) 5623.86,554.72 J3.14@5623.86,359.18
STEP5: IC2.2 J3.17 R18.1 | length 1645.4
  Top Layer w20: v1(5467.5,917.5) 5467.5,1042.5 R18.1@5470,1045 ; IC2.2@5815,1068.7 5815,759.75 ccw(c5874.75,759.75) 5832.47,717.53 ; 5832.5,717.5 5930.54,619.46 cw(c5881.06,570) 5951.02,570 J3.17@5951.02,359.18
  Bottom Layer w20: v1(5467.5,917.5) 5467.5,912.5 5937.6,442.4 ; 5937.63,442.37 cw(c5905.21,410) 5951.02,410 J3.17@5951.02,359.18
STEP6: HD2.13 IC2.4 R20.1 | length 2274.2
  Top Layer w20: IC2.4@5915,1068.7 5915,855.36 ccw(c6000.36,855.36) 5939.96,795.04 ccw(c6000.36,855.36) 5940,795 6040,695 ccw(c6076.21,731.21) 6076.21,680 6425,680 ccw(c6425,740) 6485,740 HD2.13@6485,1645 ; R20.1@6025,1645 6100,1645 6105,1640 v1(6120,1640)
  Bottom Layer w20: v1(6120,1640) 6122.5,1642.5 6482.5,1642.5 HD2.13@6485,1645
STEP7: HD2.5 IC2.6 R22.1 | length 2262
  Top Layer w20: IC2.6@6015,1068.7 6015,917.68 ccw(c6057.68,917.68) 6027.5,887.5 6058.79,856.21 ccw(c6110,907.43) 6110,835 6270,835 ccw(c6270,900) 6335,900 6335,1965 6415,2045 ; R22.1@6025,1900 v1@6120,1900 ; v1(6295,2020) 6303.12,2020 6328.12,2045 6415,2045 ; HD2.5@6485,2045 6415,2045
  Bottom Layer w20: 6150,1905 6250,1905 ccw(c6250,1950) 6269.39,1909.39 ccw(c6250,1950) 6290.61,1930.61 ccw(c6250,1950) 6295,1950 v1(6295,2020)
  other v1: 6120,1905
VCC: C2.1 C4.2 C17_IN1.1 C17_IN2.1 C17_IN3.1 C17_IN4.1 C17_IN5.1 C17_IN6.1 C17_IN7.1 C17_IN8.1 C17_IN9.1 C17_IN10.1 C17_IN11.1 R26_IN1.1 R26_IN2.1 R26_IN3.1 R26_IN4.1 R26_IN5.1 R26_IN6.1 R26_IN7.1 R26_IN8.1 R26_IN9.1 R26_IN10.1 R26_IN11.1 R30.1 U1.2 | length 6873.4
  Top Layer w30: U1.2@1485.83,3995 1590,3995 1610,3975 1610,3787.57 1627.57,3770 1755,3770 ; C4.2@1895,3923.03 C4.2@1895,3925 ; 1955,3835 C2.1@2170,3835 2170,3827.16 2184.53,3812.63 R30.1@2510.84,3812.63 ; v1@3200,2125 3200,2095 3210,2085 v1(3210,1390)
  Bottom Layer w30: R26_IN1.1@1635,1360 1635.75,1359.25 1641.65,1359.25 1645.91,1355 1914.09,1355 1923.35,1364.25 R26_IN3.1@1930,1364.25 ; R26_IN2.1@1640,2140 C17_IN2.1@1750,2140 ; C17_IN2.1@1750,2135 C17_IN2.1@1750,2140 ; v1(1870,3845) 1870,3835.76 1750,3715.76 C17_IN2.1@1750,2140 ; R26_IN3.1@1930,1355 C17_IN3.1@2035,1355 C17_IN5.1@2325,1355 C17_IN9.1@2885,1355 ; R26_IN6.1@2210,2145 2209.25,2144.25 2049.23,2144.25 2048.6,2143.62 2031.65,2143.62 2025,2136.97 C17_IN4.1@2025,2135 2020,2140 R26_IN4.1@1920,2140 C17_IN2.1@1750,2140 ; R26_IN6.1@2216.65,2144.25 2310.75,2144.25 C17_IN6.1@2315,2140 2319.25,2144.25 R26_IN8.1@2506.65,2144.25 ; R26_IN8.1@2500,2145 2600,2145 C17_IN8.1@2605,2140 2610,2145 2764.09,2145 2769.09,2150 R26_IN10.1@2775,2150 ; R26_IN10.1@2780.91,2150 2790.91,2140 C17_IN10.1@2880,2140 ; C17_IN10.1@2895,2140 v1(3215,2140) ; R26_IN11.1@3045,1355 C17_IN9.1@2885,1355 ; v1(3210,1390) 3175,1355 C17_IN9.1@2885,1355
  other v1: 3310,1325 3255,1375 3160,2110 3165,2180 1935,3760 2045,3760 1725,3765 1700,3845 1980,3845
pads on no net: IC2.9 J1.16 J1.17 J2.16 J2.17 J3.38 J3.39 RL1.2 U1.4 U2.3 U2.4 U2.5 U2.6
copper on no net:
  other v2: 223.74,555 6601.26,555 6601.26,4140 223.74,4145

## Polygon pours and split planes (outlines as drawn)
GND on Bottom Layer "PolygonBotGND" (solid, pour order 1): 90.82,178.68 105.82,163.68 6740.82,163.68 6740.82,4458.68 6735.82,4463.68 6730.82,4458.68 80.82,4458.68
GND on Top Layer "GND_L01_P000" (solid, pour order 0): 85,190 100,175 6735,175 6735,4470 6730,4475 6725,4470 75,4470

## Other copper
Top Layer:
  region net +5: 4913.84,1846.16 5233.84,1846.16 5233.84,1986.16 4913.84,1986.16
  region net VCC: 3135,1340 3230,1340 3280,1290 3340,1290 3340,1375 3290,1425 3135,1425
  region net VCC: 3125,2205 3125,2080 3230,2080 3230,2205
  region net GND: 1135,3990 1140,3995 1305,3995 1305,4000 1370,4065 1545,4065 1590,4110 1845,4110 1875,4080 1875,3990 1915,3990 1915,4080 2420,4080 2460,4120 2840,4120 2885,4075 2900,4090 2950,4090 2950,4135 2915,4170 1105,4170 1105,4155 1105,4020
  region net VCC: 1465,4015 1620,4015 1640,3995 1640,3900 1655,3885 1870,3885 1870,3950 1920,3950 1920,3885 2230,3885 2280,3835 2535,3835 2535,3725 1560,3725 1560,3970 1555,3975 1525,3975
  region net +5: 156.25,3620 156.25,1195 256.25,1095 736.25,1095 736.25,1150 383.75,1150 261.25,1272.5 261.25,3447.5 413.75,3600
  region net +5: 155.66,3595.87 160.66,3600.87 410.66,3600.87 410.66,3905.87 420.66,3915.87 155.66,3915.87
  region net +5: 157.5,3595 162.5,3600 412.5,3600 412.5,3905 422.5,3915 157.5,3915
  region net GND: 175,792.5 355,792.5 360,787.5 360,1062.5 180,1062.5 175,1067.5
  region net +5: 735,1055 735,1095 420,1095 420,760 425,755 735,755
  region net +5: 1370,340 1425,340 1425,585 1355,585 1355,350
Bottom Layer:
  region net +5: 4915,1845 5235,1845 5235,1985 4915,1985
  region net VCC: 3135,1340 3230,1340 3280,1290 3340,1290 3340,1375 3290,1425 3135,1425
  region net VCC: 3125,2204.38 3125,2079.38 3231.06,2079.38 3231.06,2204.38
  region net VCC: 1660,3880 1660,3725 2085,3725 2085,3885
  region net GND: 175,792.5 355,792.5 360,787.5 360,1062.5 180,1062.5 175,1067.5
  region net +5: 565,885 735,1055 735,1095 420,1095 420,760 425,755 565,755
  region net +5: 1370,340 1425,340 1425,585 1355,585 1355,350

## Silkscreen, mask and mechanical layers (free items; w line width, h text height)
Top Overlay:
  circle w7.87: c6679.67,553.88 r118.11
  circle w7.87: c6679.67,4136.56 r118.11
  circle w7.87: c144.24,4136.56 r118.11
  circle w3.94: c144.24,553.88 r118.11
  text "1,9,2,10,3,11,4,12,5,13  / IN 1 -> 10 / P23 -> P32" at 1755,3210 h98.43
  text "14    - GND / 7      - VPP / 8,15 - COM,NO PUMP / 6      - EMG" at 2775,3150 h98.43
  text "P28" at 2352,2051.81 h98.43 r90
  text "P30" at 2642,2051.81 h98.43 r90
  text "P32" at 2922.11,2051.81 h98.43 r90
  text "P24" at 1788.19,2041.81 h98.43 r90
  text "P26" at 2047,2041.81 h98.43 r90
  text "P27" at 2353.19,1271.81 h98.43 r90
  text "P29" at 2642,1271.81 h98.43 r90
  text "P25" at 2072,1266.81 h98.43 r90
  text "P31" at 2902,1266.81 h98.43 r90
  text "EMG" at 3167,1266.81 h98.43 r90
  text "P23" at 1782,1261.81 h98.43 r90
  text "1,4,7,10,13,16 -> ENABLE 1->6 / 2,5,8,11,14,17 -> STEP / 3,6,9,12,15,18 -> DIR / GND" at 4745,505 h80
Mechanical 1:
  lines w0.5: 6.44,120.81 6.44,4569.63 ; 6817.47,120.81 6817.47,4569.63
  lines w19.68: 0,-5 0,4690 6825,4690 6825,-5 0,-5

## Dimensions
6825,4690 to 6780,4690 on Top Layer

## Text inside footprints (layer, text, board x,y; h text height)
C1: Top Overlay "+" at 531.97,914.57 h35 r180
C2: Top Overlay "+" at 2134.57,3848.03 h35 r90
J1: Top Overlay "1" at 2200,465 h59.06
J2: Top Overlay "1" at 576.69,485 h59.06 r270
J3: Top Overlay "1" at 4160,450 h98.43